# Allegro board buddy_lay_rev1.brd (continued)
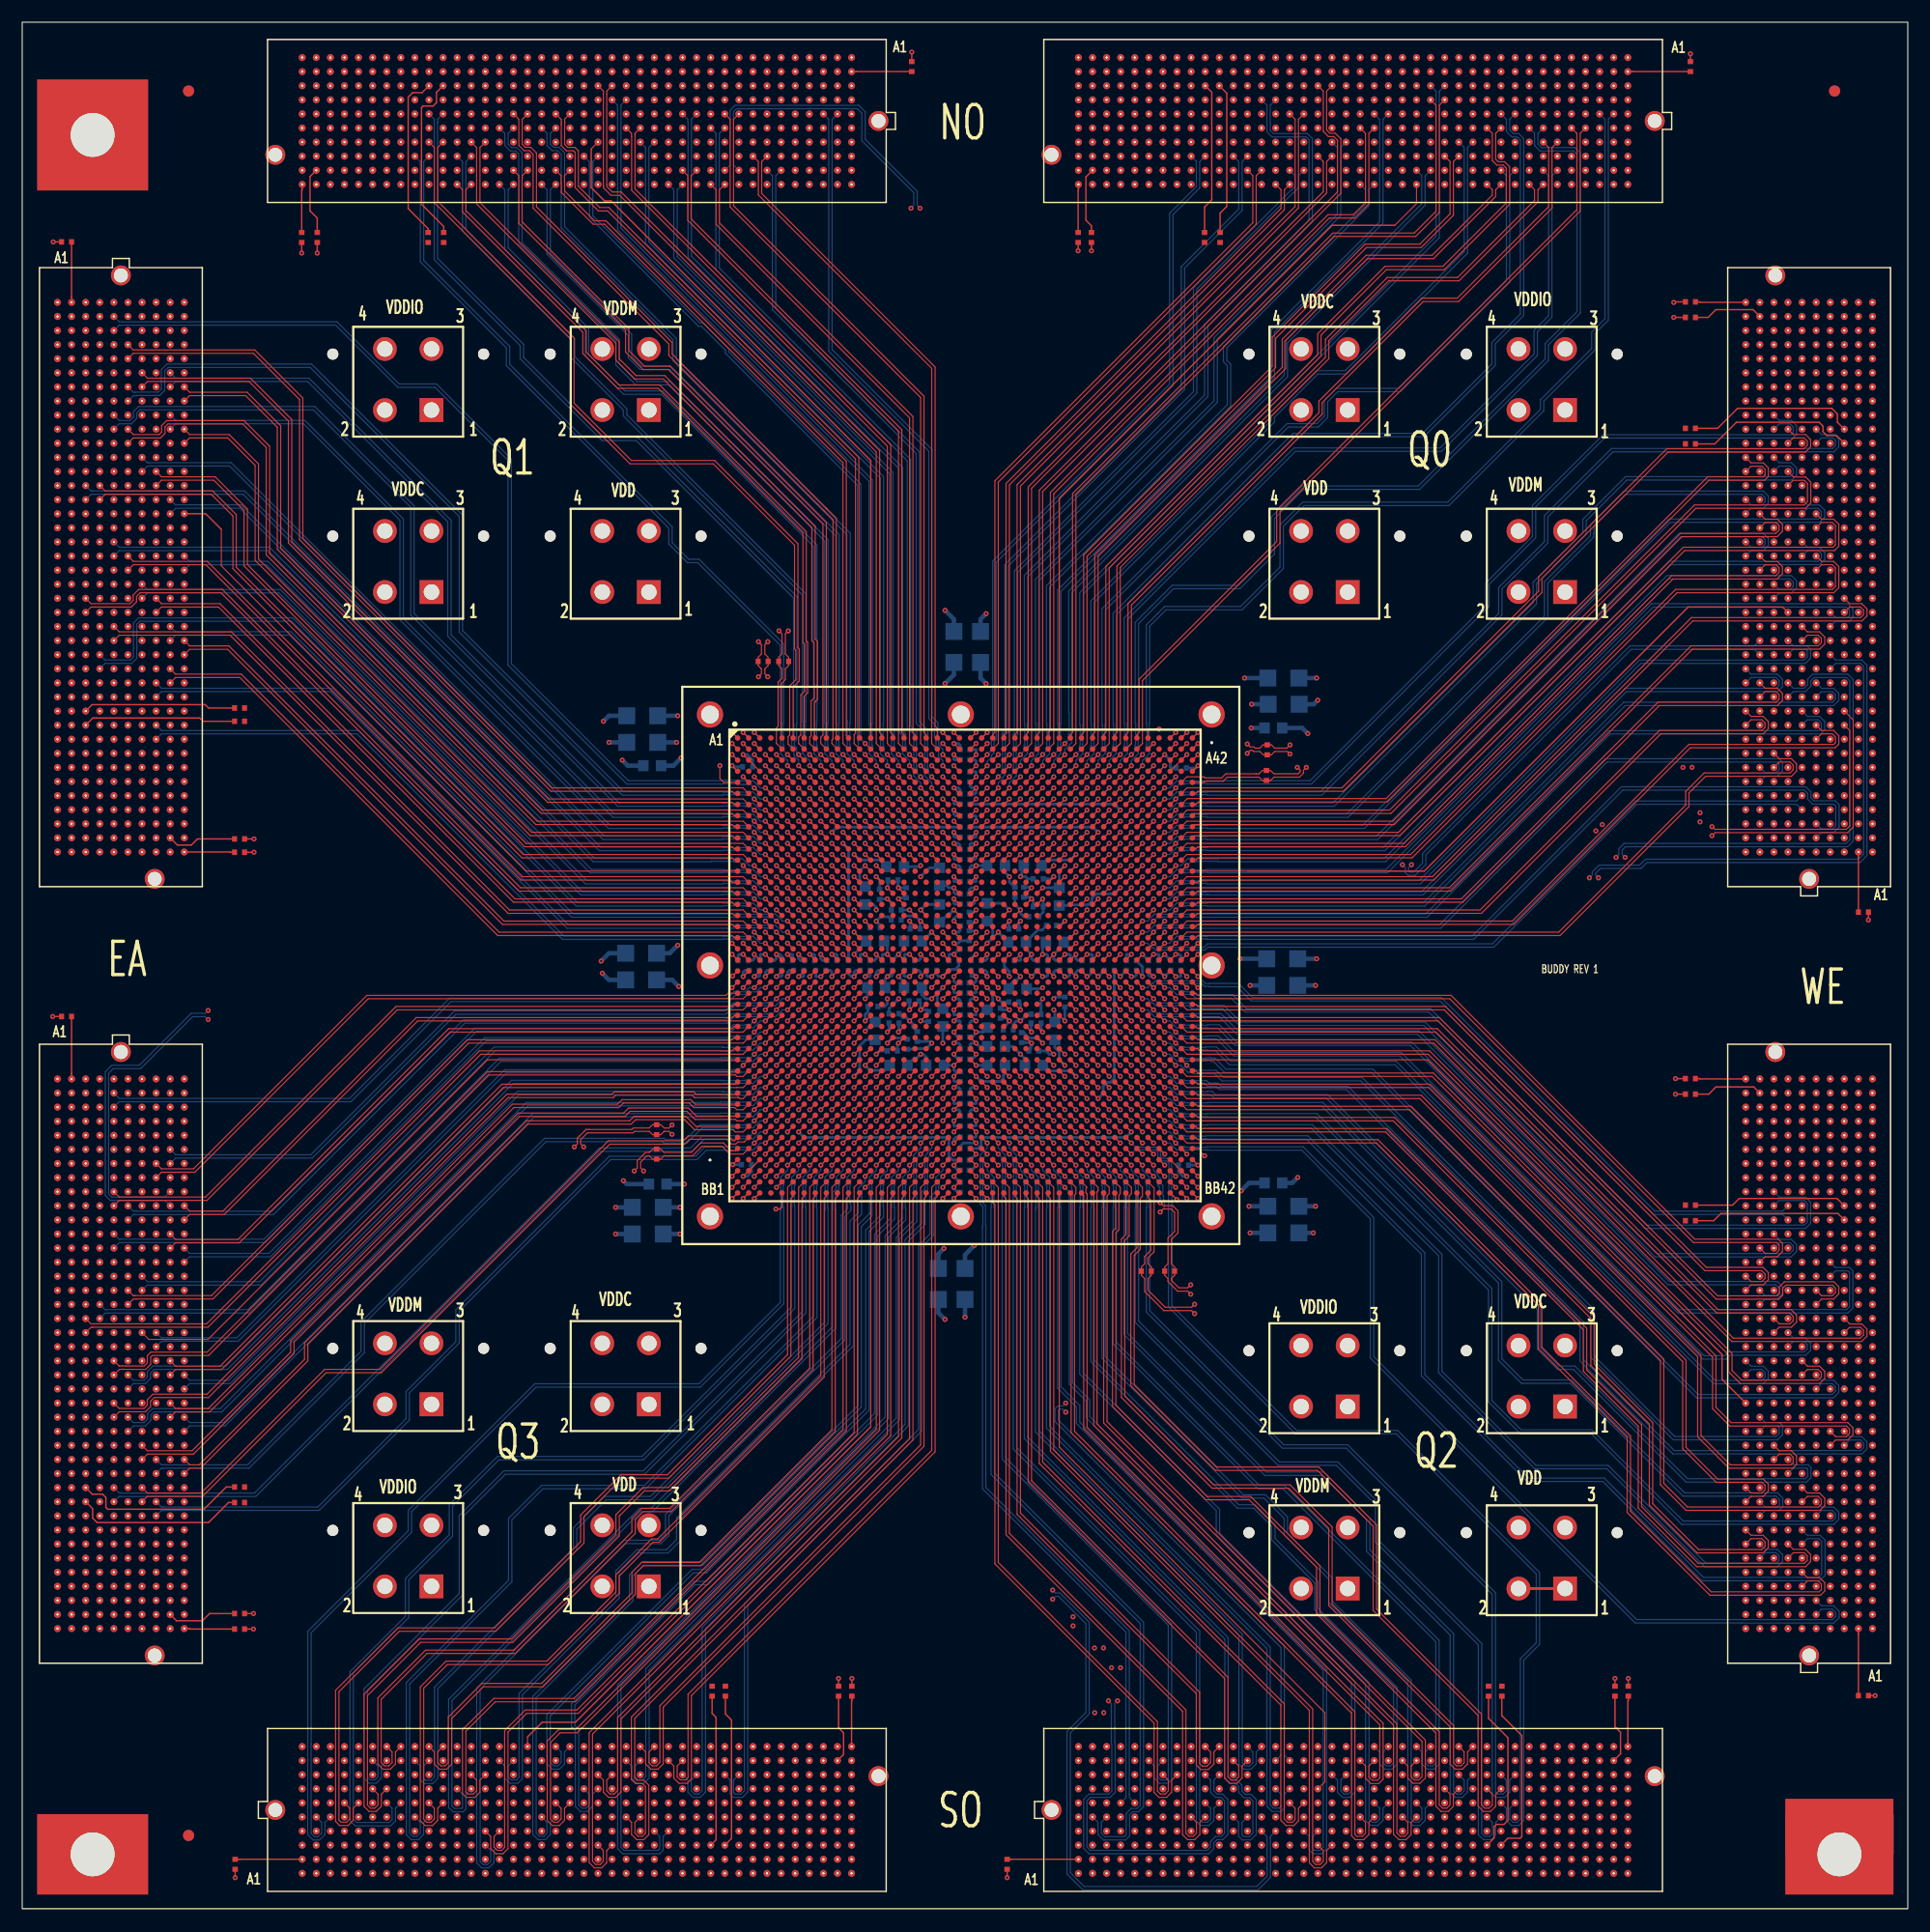
[diagram p0: board, top side]
## Routing (per net, layer and track width the routed paths; a pad name or vN(x,y) marks a point on that pad's centre or on a via; arc(x,y) is an arc through that point) (continued)
  BOTTOM w0.102: J1.J9 64.13,157.14 64.13,161.93 64.4,162.2 75.3,162.2 75.7,161.8 75.7,159.32 80.38,154.64 80.38,153.49 v1(80.13,153.24)
NO_P79: length 57.4
  TOP w0.102: U1.A17 80.5,105.8 80.3,106 80.3,134.47 62.86,151.91 62.86,154.9 J1.K10
NO_P80: length 66.8
  TOP w0.127: U1.C17 v1(80,104)
  BOTTOM w0.102: v1(80,104) 79.68,104.32 79.68,104.78 79.62,104.84 79.62,105.37 79.65,105.4 79.65,105.88 79.35,106.18 79.35,129.9 60.34,148.91 60.34,161.09 60.32,161.11 60.32,161.25 60.8,161.74
NO_P81: length 70.1
  TOP w0.127: U1.G17 v1(80,100)
  SIGNAL_L12 w0.081: J1.F13 59.06,160 59.06,149.27 79.67,128.67 79.67,105.34 79.63,105.3 79.63,100.85 79.63,100.84 79.63,100.8 79.67,100.77 79.67,100.33 v1(80,100)
NO_P82: length 74.2
  TOP w0.127: U1.J17 v1(80,98)
  SIGNAL_L3 w0.081: J1.G12 60.33,158.73 60.33,158.47 60.32,158.46 60.32,154.33 62.57,152.08 69.24,152.08 79.66,141.65 79.66,105.42 79.63,105.38 79.63,98.81 79.66,98.78 79.66,98.34 v1(80,98)
NO_P83: length 71.5
  TOP w0.127: U1.L17 v1(80,96)
  SIGNAL_L5 w0.081: J1.H13 59.06,157.46 59.06,152.24 79.67,131.63 79.67,105.48 79.63,105.44 79.63,96.85 79.66,96.81 79.66,96.49 79.7,96.46 79.7,96.3 v1(80,96)
NO_P84: length 59.3
  TOP w0.102: J1.J12 60.31,156.16 60.31,152.27 79.3,133.28 79.3,106 79.5,105.8 U1.A16
NO_P85: length 60.6
  TOP w0.127: U1.C16 v1(79,104)
  BOTTOM w0.102: v1(79,104) 78.68,104.32 78.68,104.55 78.62,104.61 78.62,106.21 78.5,106.33 78.5,129.44 59.05,148.89 59.05,154.9 J1.K13
NO_P86: length 74
  TOP w0.127: U1.G16 v1(79,100)
  SIGNAL_L12 w0.081: v1(79,100) 78.67,100.33 78.67,100.77 78.63,100.8 78.63,100.84 78.63,100.85 78.63,105.3 78.67,105.34 78.67,128.33 57.81,149.19 57.81,163.82 J1.C14
NO_P87: length 79.8
  TOP w0.127: U1.J16 v1(79,98)
  SIGNAL_L3 w0.081: J1.D14 57.79,162.54 57.79,162.42 57.8,162.41 57.8,153.2 59.77,151.23 68.34,151.23 78.7,140.87 78.7,105.28 78.63,105.21 78.63,98.81 78.66,98.78 78.66,98.34 v1(79,98)
NO_P88: length 76
  TOP w0.127: U1.L16 v1(79,96)
  SIGNAL_L10 w0.081: v1(79,96) 78.7,96.3 78.7,96.52 78.63,96.59 78.63,105.34 78.66,105.38 78.66,130.04 56.52,152.18 56.52,161.27 56.99,161.74
NO_P89: length 64.8
  TOP w0.102: J1.F16 55.24,159.98 55.24,159.84 55.25,159.83 55.25,154.98 78.3,131.93 78.3,106 78.5,105.8 U1.A15
NO_P90: length 65
  TOP w0.127: U1.C15 v1(78,104)
  BOTTOM w0.102: v1(78,104) 77.68,104.32 77.68,104.78 77.62,104.84 77.62,106.8 77.65,106.83 77.65,129.05 56.5,150.2 56.5,158.7 J1.G15
NO_P91: length 66.3
  TOP w0.127: U1.E15 v1(78,102)
  SIGNAL_L12 w0.081: v1(78,102) 77.67,102.33 77.67,102.77 77.63,102.8 77.63,102.84 77.63,102.85 77.63,107.17 77.67,107.2 77.67,127.93 55.25,150.35 55.25,157.2 55.25,157.2 55.25,157.46 J1.H16
NO_P92: length 73.8
  TOP w0.127: U1.J15 v1(78,98)
  SIGNAL_L3 w0.081: v1(78,98) 77.66,98.34 77.66,98.78 77.63,98.81 77.63,105.46 77.66,105.5 77.66,140.3 67.59,150.38 58.49,150.38 56.52,152.34 56.52,156.19 J1.J15
NO_P93: length 69.7
  TOP w0.127: U1.L15 v1(78,96)
  SIGNAL_L5 w0.081: v1(78,96) 77.7,96.3 77.7,96.46 77.66,96.49 77.66,96.81 77.63,96.85 77.63,105.44 77.67,105.48 77.67,129.73 55.25,152.15 55.25,154.92 J1.K16
NO_P94: length 69.7
  TOP w0.102: U1.A14 77.5,105.8 77.3,106 77.3,131.4 54,154.7 53.21,154.7 52.72,155.19 52.72,155.37 52.7,155.38 52.7,163.52 52.7,163.52 52.7,163.79 J1.C18
NO_P95: length 69.5
  TOP w0.127: U1.C14 v1(77,104)
  BOTTOM w0.102: J1.D17 53.97,162.52 53.97,162.38 53.99,162.36 53.99,151.42 76.65,128.76 76.65,106.83 76.62,106.8 76.62,104.84 76.68,104.78 76.68,104.32 v1(77,104)
NO_P96: length 71.9
  TOP w0.127: U1.E14 v1(77,102)
  SIGNAL_L12 w0.081: 53.18,161.74 52.7,161.25 52.7,160.79 52.7,160.79 52.7,160.3 52.99,160.01 53.49,160.01 54,159.5 54,158.12 53.99,158.12 53.99,157.73 54,157.73 54,149.1 60.58,142.52 61.96,142.52 63.73,140.75 63.73,136.79 76.67,123.85 76.67,107.48 76.7,107.44 76.7,105.23 76.63,105.15 76.63,102.85 76.63,102.84 76.63,102.8 76.67,102.77 76.67,102.33 v1(77,102)
NO_P97: length 80.5
  TOP w0.127: U1.K14 v1(77,97)
  SIGNAL_L3 w0.081: J1.F19 51.44,160 51.44,157.75 51.75,157.44 52.24,157.44 52.7,156.98 52.7,154.61 57.73,149.59 66.68,149.59 76.66,139.6 76.66,105.79 76.61,105.73 76.61,105.62 76.64,105.58 76.64,105.55 76.63,105.53 76.63,97.81 76.66,97.78 76.66,97.34 v1(77,97)
NO_P98: length 75.3
  TOP w0.127: U1.M14 v1(77,95)
  SIGNAL_L10 w0.081: v1(77,95) 77,95.48 76.5,95.98 76.5,110.5
  SIGNAL_L10 w0.083: 76.5,110.5 76.5,129.85 52.55,153.8 52.55,158.56 J1.G18
NO_P99: length 64.2
  TOP w0.102: U1.B13 v1(76,105)
  BOTTOM w0.102: v1(76,105) 75.6,105.4 75.6,128.4 63.7,140.3 63.7,140.57 61.37,142.9 61.1,142.9 51.45,152.55 51.45,155.58 51.45,155.58 51.45,156.46 51.45,156.46 51.45,156.85 51.45,156.85 51.45,157.28 51.43,157.3 51.43,157.44 J1.H19
NO_P100: length 64.2
  TOP w0.127: U1.D13 v1(76,103)
  SIGNAL_L12 w0.081: v1(76,103) 75.67,103.33 75.67,103.69 75.63,103.73 75.63,105.59 75.66,105.63 75.66,123.09 59.2,139.55 59.2,141.45 52.7,147.95 52.7,156.17 J1.J18
NO_P101: length 71.1
  TOP w0.127: U1.F13 v1(76,101)
  SIGNAL_L3 w0.081: v1(76,101) 75.66,101.34 75.66,101.78 75.63,101.81 75.63,108.39 75.66,108.43 75.66,139.14 66.05,148.75 56.45,148.75 51.44,153.76 51.44,154.92 J1.K19
NO_P102: length 79.2
  TOP w0.127: U1.H13 v1(76,99)
  SIGNAL_L10 w0.081: J1.C22 47.63,163.81 47.63,157.08 47.65,157.07 47.65,155.01 48.2,154.45 50.27,154.45 75.66,129.05 75.66,105.43 75.63,105.39 75.63,99.37 v1(76,99)
NO_P103: length 78.6
  TOP w0.127: U1.L13 v1(76,96)
  SIGNAL_L5 w0.081: J1.D20 50.17,162.54 50.17,154.54 75.67,129.05 75.67,105.48 75.63,105.44 75.63,96.85 75.66,96.81 75.66,96.49 75.7,96.46 75.7,96.3 v1(76,96)
NO_P104: length 68.3
  TOP w0.102: U1.A12 75.43,105.57 75.43,130.77 52.9,153.3 52.07,153.3 50.15,155.22 50.15,158.41 49.84,158.72 49.19,158.72 48.91,159 48.91,160.66 48.91,160.67 48.91,161.01 48.9,161.25 48.9,161.26 49.37,161.74
NO_P105: length 69
  TOP w0.127: U1.C12 v1(75,104)
  BOTTOM w0.102: J1.F22 47.62,159.98 47.62,159.02 47.91,158.73 48.4,158.73 48.9,158.22 48.9,151.58 58.98,141.5 58.98,139.62 74.65,123.95 74.65,106.87 74.62,106.83 74.62,104.84 74.68,104.78 74.68,104.32 v1(75,104)
NO_P106: length 68.9
  TOP w0.127: U1.E12 v1(75,102)
  SIGNAL_L12 w0.081: v1(75,102) 74.67,102.33 74.67,102.77 74.63,102.8 74.63,102.84 74.63,102.85 74.63,107.2 74.67,107.24 74.67,122.85 58.33,139.19 58.33,141.11 48.9,150.54 48.9,158.47 48.9,158.47 48.9,158.73 J1.G21
NO_P107: length 76.6
  TOP w0.127: U1.G12 v1(75,100)
  SIGNAL_L3 w0.081: v1(75,100) 74.66,100.34 74.66,100.78 74.63,100.81 74.63,107.35 74.66,107.38 74.66,138.29 64.99,147.96 56.12,147.96 56.03,148.05 54.02,148.05 47.63,154.44 47.63,157.45 J1.H22
NO_P108: length 62.6
  TOP w0.102: U1.A11 74.3,105.7 74.3,130.43 52.63,152.1 51.6,152.1 48.91,154.79 48.91,155.59 48.89,155.61 48.89,156.17 J1.J21
NO_P109: length 64.8
  TOP w0.127: U1.C11 v1(74,104)
  BOTTOM w0.102: v1(74,104) 73.68,104.32 73.68,104.78 73.62,104.84 73.62,106.8 73.65,106.83 73.65,123.83 58.47,139.01 55.82,139.01 54.95,139.88 54.95,141.88 47.62,149.21 47.62,154.9 J1.K22
NO_P110: length 79.4
  TOP w0.127: U1.E11 v1(74,102)
  SIGNAL_L12 w0.081: J1.C26 42.55,163.81 42.55,160.26 42.83,159.98 45.89,159.98 46.35,159.52 46.35,149.95 53.91,142.39 53.91,139.91 55.25,138.57 57.56,138.57 73.67,122.46 73.67,110.34 73.59,110.27 73.59,107.45 73.63,107.41 73.63,102.85 73.63,102.84 73.63,102.8 73.67,102.77 73.67,102.33 v1(74,102)
NO_P111: length 84.9
  TOP w0.127: U1.G11 v1(74,100)
  SIGNAL_L3 w0.081: v1(74,100) 73.66,100.34 73.66,100.78 73.63,100.81 73.63,107.38 73.66,107.42 73.66,136.85 63.42,147.1 51.62,147.1 45.08,153.63 45.08,159.52 44.62,159.98 42.86,159.98 42.55,160.29 42.55,162.54 J1.D26
NO_P112: length 68.5
  TOP w0.102: 45.56,161.74 45.08,161.25 45.08,159.02 45.37,158.73 45.86,158.73 46.37,158.22 46.37,153.37 58.6,141.13 58.6,140.1 72.56,126.14 73.4,125.3 73.4,105.6 U1.A10
NO_P113: length 71.5
  TOP w0.127: U1.C10 v1(73,104)
  BOTTOM w0.102: v1(73,104) 72.68,104.32 72.68,104.78 72.62,104.84 72.62,106.83 72.65,106.87 72.65,123.37 58.4,137.62 55.44,137.62 53.83,139.23 53.83,141.41 45.07,150.17 45.07,158.25 44.61,158.7 44.13,158.7 43.81,159.02 43.81,159.98 J1.F25
NO_P114: length 72.9
  TOP w0.127: U1.E10 v1(73,102)
  SIGNAL_L12 w0.081: v1(73,102) 72.67,102.33 72.67,102.77 72.63,102.8 72.63,102.84 72.63,102.85 72.63,107.34 72.67,107.38 72.67,121.99 57.19,137.47 51.71,137.47 49.78,139.4 49.78,143.97 45.09,148.66 45.09,158.73 J1.G24
NO_P115: length 79.6
  TOP w0.127: U1.G10 v1(73,100)
  SIGNAL_L3 w0.081: v1(73,100) 72.66,100.34 72.66,100.78 72.63,100.81 72.63,107.35 72.66,107.38 72.66,135.64 62.05,146.25 47.22,146.25 43.82,149.64 43.82,157.46 J1.H25
NO_P116: length 64.1
  TOP w0.102: U1.A9 72.5,124.9 58.4,139 56.1,139 54.7,140.4 54.7,142.38 45.07,152.01 45.07,155.96 45.08,155.97 45.08,156.17 J1.J24
NO_P117: length 66
  TOP w0.127: U1.C9 v1(72,104)
  BOTTOM w0.102: v1(72,104) 71.68,104.32 71.68,104.78 71.62,104.84 71.62,106.93 71.65,106.96 71.65,122.89 57.77,136.77 54.34,136.77 51.07,140.04 51.07,142.41 43.81,149.67 43.81,154.9 J1.K25
NO_P118: length 82.3
  TOP w0.127: U1.E9 v1(72,102)
  SIGNAL_L3 w0.081: 41.75,161.74 41.28,161.27 41.28,161.15 41.3,161.14 41.3,157.74 41.56,157.47 42.3,157.47 42.57,157.2 42.57,149.15 46.62,145.1 61.07,145.1 71.66,134.5 71.66,109.5 71.63,109.47 71.63,102.81 71.66,102.78 71.66,102.34 v1(72,102)
NO_P119: length 79.6
  TOP w0.127: U1.G9 v1(72,100)
  SIGNAL_L12 w0.081: v1(72,100) 71.67,100.33 71.67,100.77 71.63,100.8 71.63,100.84 71.63,100.85 71.63,105.35 71.67,105.39 71.67,120.64 60.75,131.56 52.34,131.56 45,138.9 45,142.73 40.01,147.72 40.01,160 J1.F28
NO_P120: length 68.2
  TOP w0.102: J1.G27 41.27,158.71 41.27,153.74 53.83,141.18 53.83,139.67 55.35,138.15 57.93,138.15 71.5,124.58 71.5,114.39 71.7,114.19 71.7,108.97 71.43,108.7 71.43,105.57 U1.A8
NO_P121: length 67.7
  TOP w0.127: U1.C8 v1(71,104)
  BOTTOM w0.102: J1.H28 40,157.44 40,157.17 40,157.17 40,151.28 49.82,141.46 49.82,139.86 54.5,135.18 54.5,134.65 70.65,118.5 70.65,107.02 70.62,106.98 70.62,104.38 v1(71,104)
NO_P122: length 76.3
  TOP w0.127: U1.E8 v1(71,102)
  SIGNAL_L3 w0.081: J1.J27 41.28,156.19 41.28,148.83 45.97,144.15 60.35,144.15 70.66,133.83 70.66,109.38 70.63,109.35 70.63,102.81 70.66,102.78 70.66,102.34 v1(71,102)
NO_P123: length 65.1
  TOP w0.102: J1.K28 40,154.9 40,153.03 50.85,142.18 50.85,140.27 53.81,137.3 57.48,137.3 70.69,124.09 70.69,114.24 70.82,114.11 70.82,109.57 70.5,109.25 U1.A7
NO_P124: length 74.2
  TOP w0.127: U1.C7 v1(70,104)
  BOTTOM w0.102: 37.94,161.74 37.46,161.25 37.46,160.98 37.45,160.97 37.45,148.73 45.2,140.98 45.2,139.8 52.4,132.6 55.48,132.6 69.85,118.23 69.85,106.82 69.82,106.79 69.82,105.35 69.62,105.16 69.62,104.84 69.82,104.65 69.82,104.18 69.92,104.08 69.92,103.97 69.97,103.97 v1(70,104)
NO_P125: length 80.8
  TOP w0.127: U1.E7 v1(70,102)
  SIGNAL_L3 w0.081: J1.F31 36.2,160 36.2,159.74 36.19,159.73 36.19,148.66 46.72,138.13 59.15,138.13 69.77,127.51 69.77,115.13 69.77,114.86 69.66,114.75 69.66,109.46 69.63,109.42 69.63,102.81 69.66,102.78 69.66,102.34 v1(70,102)
NO_P126: length 72
  TOP w0.102: J1.G30 37.46,158.71 37.46,153.87 49.75,141.58 49.75,135.68 54.93,130.5 62.43,130.5 69.93,123 69.93,113.65 70.05,113.53 70.05,110.62 69.5,110.07 U1.A6
NO_P127: length 69
  TOP w0.127: U1.C6 v1(69,104)
  BOTTOM w0.102: v1(69,104) 68.68,104.32 68.68,104.78 68.62,104.84 68.62,106.8 68.65,106.83 68.65,113.98 61.03,121.6 60.1,121.6 58.6,123.1 58.6,124.53 43.95,139.18 43.95,140.78 36.2,148.53 36.2,157.29 36.19,157.3 36.19,157.44 J1.H31
NO_VADJ0: length 9.6
  TOP w0.127: R111.2 v1(25.2,149.2) ; R110.2 v1(26.6,149.2)
  PWR_L7 w0.254: 26.51,161.74 26.99,161.74 ; 26.51,161.74 26.51,161.26 ; 26.51,161.74 26.04,161.74 ; 26.51,161.74 26.51,162.21 ; 25.24,157.45 J1.H40 ; J1.H40 25.24,158.4 ; J1.H40 25.72,157.93 ; J1.H40 24.77,157.93 ; J1.G39 26.51,159.67 ; J1.G39 26.99,159.19 ; J1.G39 26.51,158.72 ; J1.G39 26.04,159.19 ; J1.F40 25.24,160.94 ; J1.F40 25.24,159.99 ; J1.F40 25.72,160.47 ; J1.F40 24.77,160.47
NO_VADJ1: length 9.2
  TOP w0.127: R115.2 v1(96.4,149.4) ; R116.2 v1(95.2,149.4)
  PWR_L7 w0.254: J2.F40 95.7,160.47 ; J2.F40 94.75,160.47 ; J2.F40 95.23,160.94 ; J2.F40 95.23,159.99 ; 95.23,157.45 J2.H40 ; J2.H40 95.7,157.93 ; J2.H40 95.23,158.4 ; J2.H40 94.75,157.93 ; J2.G39 96.97,159.19 ; J2.G39 96.5,159.67 ; J2.G39 96.5,158.72 ; J2.G39 96.02,159.19 ; 96.5,161.26 96.5,161.74 ; 96.5,161.74 96.5,162.21 ; 96.5,161.74 96.97,161.74 ; 96.5,161.74 96.02,161.74
Q0_VDD: length 16
  TOP w0.127: U1.D42 v1(106,103) ; U1.V30 v1(94,89)
  PWR_L7 w0.254: 118.26,124.15 J15.3 ; J15.3 119.5,125.39 ; J15.3 120.74,124.15 ; J15.3 119.5,122.91 ; 115.3,122.91 J15.4 ; J15.4 115.3,125.39 ; J15.4 116.54,124.15 ; J15.4 114.06,124.15
  BOTTOM w0.25: v1(94,89) 93.6,88.6 C134.1 ; v1(106,103) 105.8,102.8 C133.1
  BOTTOM w0.4: C135.1 v1(110.8,106.4) ; C136.1 v1(110.84,108.54)
Q0_VDDC: length 36.2
  TOP w0.127: U1.E22 v1(86,102) ; U1.M33 v1(97,95) ; U1.T37 v1(101,91) ; U1.K31 v1(95,97) ; U1.P35 v1(99,93) ; U1.AA22 v1(86,86) ; U1.W24 v1(88,88) ; U1.V39 v1(103,89) ; U1.U22 v1(86,90) ; U1.H29 v1(93,99) ; U1.AA26 v1(90,86) ; U1.A22 v1(86,106) ; U1.AA42 v1(106,86) ; U1.J22 v1(86,98) ; U1.AA30 v1(94,86) ; U1.D25 v1(89,103) ; U1.AA34 v1(98,86) ; U1.F27 v1(91,101) ; U1.AA38 v1(102,86) ; U1.N22 v1(86,94)
  PWR_L8 w0.254: J13.4 116.54,140.55 ; J13.4 115.3,141.79 ; J13.4 114.06,140.55 ; J13.4 115.3,139.31 ; 118.26,140.55 J13.3 ; J13.3 119.5,141.79 ; J13.3 119.5,139.31 ; J13.3 120.74,140.55
  BOTTOM w0.25: C4.1 85.55,85.65 85.9,86 v1(86,86) ; v1(90,86) 90,85.5 89.95,85.45 C1.1 ; C8.1 85.95,102.45 86,102.4 v1(86,102) ; C5.1 85.79,89.79 v1(86,90) ; v1(86,98) 86,98.4 85.93,98.47 C2.1 ; C10.1 v1(86,94) 85.61,94 85.45,93.84 C7.1 ; C6.1 94.5,85.5 94.5,85.9 94.4,86 v1(94,86) ; v1(102,86) 102.4,86 102.5,85.9 102.5,85.5 C3.1 ; v1(88,88) 88.29,87.71 88.32,87.71 88.9,87.13 C9.1
  BOTTOM w0.4: 112.2,85.6 v1(109.8,85.6)
Q0_VDDIO: length 63.3
  TOP w0.127: U1.J34 v1(98,98) ; U1.M31 v1(95,95) ; U1.G36 v1(100,100) ; U1.B41 v1(105,105) ; U1.D39 v1(103,103) ; U1.R28 v1(92,92) ; U1.N30 v1(94,94) ; U1.U26 v1(90,90) ; U1.K33 v1(97,97) ; U1.T27 v1(91,91) ; U1.H35 v1(99,99) ; U1.A42 v1(106,106) ; U1.F37 v1(101,101) ; U1.E38 v1(102,102) ; U1.P29 v1(93,93) ; U1.C40 v1(104,104) ; U1.L32 v1(96,96) ; U1.V25 v1(89,89)
  SIGNAL_L10 w0.254: 134.9,139.31 J14.4 ; J14.4 134.9,141.79 ; J14.4 133.66,140.55 ; J14.4 136.14,140.55 ; J14.3 140.34,140.55 ; J14.3 137.86,140.55 ; J14.3 139.1,141.79 ; J14.3 139.1,139.31
  BOTTOM w0.25: v1(97,97) 96.54,97.46 C89.1 ; v1(92,92) 92.85,92 C97.1 U1.N30 v1(94,94) ; C92.1 92.8,92.8 v1(93,93) ; C90.1 90.85,91.15 v1(91,91) 91.15,90.85 C91.1 ; v1(99,99) 98.46,99.54 85.93,99.54 85.93,99.55 C94.1 ; C98.1 91.9,94.03 92.37,94.5 U1.M31 v1(95,95) ; C95.1 89.5,90.5 v1(90,90) 90,89.7 90.3,89.4 C93.1 ; C96.1 88.95,88.95 v1(89,89)
  BOTTOM w0.4: C99.1 v1(110.2,110.9)
Q0_VDDM: length 36.6
  TOP w0.127: U1.AA36 v1(100,86) ; U1.R22 v1(86,92) ; U1.R36 v1(100,92) ; U1.G22 v1(86,100) ; U1.E26 v1(90,102) ; U1.W22 v1(86,88) ; U1.AA32 v1(96,86) ; U1.J30 v1(94,98) ; U1.U38 v1(102,90) ; U1.C24 v1(88,104) ; U1.Y23 v1(87,87) ; U1.AA28 v1(92,86) ; U1.C22 v1(86,104) ; U1.L22 v1(86,96) ; U1.G28 v1(92,100) ; U1.AA24 v1(88,86) ; U1.W40 v1(104,88) ; U1.AA40 v1(104,86) ; U1.N34 v1(98,94)
  PWR_L7 w0.254: 134.9,122.91 J16.4 ; J16.4 136.14,124.15 ; J16.4 134.9,125.39 ; J16.4 133.66,124.15 ; J16.3 140.34,124.15 ; J16.3 137.86,124.15 ; J16.3 139.1,125.39 ; J16.3 139.1,122.91
  BOTTOM w0.25: v1(86,92) 85.57,92 85.4,91.83 C47.1 ; C45.1 85.95,104.45 86,104.4 v1(86,104) ; C53.1 92,86.8 v1(92,86) 92.35,86 92.45,85.9 C49.1 ; v1(104,86) 104.3,86 104.45,85.85 C52.1 ; v1(96,86) 96.4,86 96.5,85.9 96.5,85.5 C51.1 ; C50.1 99.55,85.95 99.6,86 v1(100,86) ; v1(87,87) 87.5,87.5 87.5,88.53 87.03,89 C54.1 ; v1(86,96) 85.55,96 85.45,95.9 C46.1 ; v1(86,88) 85.87,88.13 C48.1
  BOTTOM w0.4: v1(86.9,110.4) 86.4,110.9 C55.1
Q1_VDD: length 16.9
  TOP w0.127: U1.D1 v1(64,103) ; U1.V13 v1(76,89)
  PWR_L7 w0.254: 52.3,122.91 J12.4 ; J12.4 51.06,124.15 ; J12.4 53.54,124.15 ; J12.4 52.3,125.39 ; J12.3 56.5,125.39 ; J12.3 56.5,122.91 ; J12.3 55.26,124.15 ; J12.3 57.74,124.15
  BOTTOM w0.102: C138.1 76.2,88.65 76.2,88.8 v1(76,89)
  BOTTOM w0.25: v1(64,103) 64.1,102.9 C137.1
  BOTTOM w0.4: C139.1 58.7,103 v1(59.4,103.7) ; C140.1 v1(59,105.1)
Q1_VDDC: length 36.8
  TOP w0.127: U1.AA13 v1(76,86) ; U1.AA1 v1(64,86) ; U1.A21 v1(84,106) ; U1.T6 v1(69,91) ; U1.K12 v1(75,97) ; U1.AA5 v1(68,86) ; U1.U21 v1(84,90) ; U1.AA21 v1(84,86) ; U1.M10 v1(73,95) ; U1.F16 v1(79,101) ; U1.D18 v1(81,103) ; U1.N21 v1(84,94) ; U1.E21 v1(84,102) ; U1.V4 v1(67,89) ; U1.W19 v1(82,88) ; U1.J21 v1(84,98) ; U1.P8 v1(71,93) ; U1.AA17 v1(80,86) ; U1.H14 v1(77,99) ; U1.AA9 v1(72,86)
  PWR_L8 w0.254: J11.4 33.94,124.15 ; J11.4 32.7,125.39 ; J11.4 31.46,124.15 ; J11.4 32.7,122.91 ; J11.3 36.9,125.39 ; J11.3 35.66,124.15 ; J11.3 36.9,122.91 ; J11.3 38.14,124.15
  BOTTOM w0.25: C15.1 83.55,85.93 83.62,86 84,86 v1(84,86) 84.47,86.47 C13.1 ; C21.1 82.78,88.9 83.55,89.68 83.68,89.68 v1(84,90) ; C16.1 84.57,93.84 84.41,94 v1(84,94) ; C18.1 72.17,85.45 72,85.62 v1(72,86) ; C20.1 81.2,87.2 v1(82,88) ; C19.1 79.55,85.95 79.6,86 v1(80,86) ; C17.1 67.83,85.45 68,85.62 v1(68,86) 68.3,86 68.55,85.75 C14.1 ; C12.1 75.55,85.95 75.6,86 v1(76,86)
  BOTTOM w0.4: v1(59.1,86.82) 58.38,86.1 C22.1
Q1_VDDIO: length 58.9
  TOP w0.127: U1.N13 v1(76,94) ; U1.T16 v1(79,91) ; U1.M12 v1(75,95) ; U1.G7 v1(70,100) ; U1.U17 v1(80,90) ; U1.V18 v1(81,89) ; U1.H8 v1(71,99) ; U1.A1 v1(64,106) ; U1.P14 v1(77,93) ; U1.C3 v1(66,104) ; U1.E5 v1(68,102) ; U1.D4 v1(67,103) ; U1.L11 v1(74,96) ; U1.F6 v1(69,101) ; U1.K10 v1(73,97) ; U1.R15 v1(78,92) ; U1.B2 v1(65,105) ; U1.J9 v1(72,98)
  SIGNAL_L10 w0.254: J9.3 36.9,141.79 ; J9.3 35.66,140.55 ; J9.3 36.9,139.31 ; J9.3 38.14,140.55 ; J9.4 33.94,140.55 ; J9.4 31.46,140.55 ; J9.4 32.7,141.79 ; J9.4 32.7,139.31
  BOTTOM w0.25: C108.1 77.9,93.93 77.32,94.51 76.05,94.51 76.04,94.5 U1.M12 v1(75,95) ; v1(74,96) U1.L11 C100.1 ; v1(73,97) 73.46,97.46 C104.1 ; v1(77,93) 77.3,92.7 C103.1 ; C107.1 79.1,91.1 v1(79,91) ; C105.1 79.25,89.12 79.59,89.46 80.54,89.46 v1(81,89) 80.95,88.95 C102.1 ; C106.1 78.05,92.05 v1(78,92) ; v1(80,90) C101.1 ; C109.1 75.97,92.1 75.5,92.57 75.5,93.5 v1(76,94)
  BOTTOM w0.4: C110.1 v1(59.1,107.5)
Q1_VDDM: length 36.3
  TOP w0.127: U1.W3 v1(66,88) ; U1.W21 v1(84,88) ; U1.AA7 v1(70,86) ; U1.AA19 v1(82,86) ; U1.R7 v1(70,92) ; U1.U5 v1(68,90) ; U1.C21 v1(84,104) ; U1.G15 v1(78,100) ; U1.J13 v1(76,98) ; U1.G21 v1(84,100) ; U1.E17 v1(80,102) ; U1.AA3 v1(66,86) ; U1.AA11 v1(74,86) ; U1.AA15 v1(78,86) ; U1.Y20 v1(83,87) ; U1.C19 v1(82,104) ; U1.R21 v1(84,92) ; U1.N9 v1(72,94) ; U1.L21 v1(84,96)
  PWR_L7 w0.254: J10.4 52.3,141.79 ; J10.4 53.54,140.55 ; J10.4 52.3,139.31 ; J10.4 51.06,140.55 ; 55.26,140.55 J10.3 ; J10.3 56.5,141.79 ; J10.3 56.5,139.31 ; J10.3 57.74,140.55
  BOTTOM w0.25: C59.1 77.55,85.95 77.6,86 v1(78,86) 78,86.9 C64.1 ; C63.1 84.57,88.17 84.4,88 v1(84,88) ; v1(84,104) 84,103.6 84.05,103.55 C56.1 ; v1(66,86) 66,85.62 65.83,85.45 C62.1 ; C65.1 83.35,92.2 83.55,92 v1(84,92) 84,91.59 84.16,91.43 C61.1 ; C60.1 84.55,95.83 84.38,96 v1(84,96) ; C57.1 70.17,85.45 70,85.62 v1(70,86) ; v1(84,100) 84,99.6 84.05,99.55 C58.1
  BOTTOM w0.4: v1(83.2,110.4) 84,111.2 C66.1
Q2_VDD: length 66
  TOP w0.127: U1.AF26 v1(90,80) ; U1.AY40 v1(104,66) ; U1.AE25 v1(89,81) ; U1.AL31 v1(95,75) ; U1.AG27 v1(91,79) ; U1.AT36 v1(100,70) ; U1.AW39 v1(103,67) ; U1.AK30 v1(94,76) ; U1.AR35 v1(99,71) ; U1.AM32 v1(96,74) ; U1.AJ29 v1(93,77) ; U1.AH28 v1(92,78) ; U1.AP34 v1(98,72) ; U1.AN33 v1(97,73) ; U1.AV38 v1(102,68) ; U1.AU37 v1(101,69) ; U1.BB42 v1(106,64) ; U1.BA41 v1(105,65)
  SIGNAL_L10 w0.254: J24.3 139.1,35.59 ; J24.3 140.34,34.35 ; J24.3 137.86,34.35 ; J24.3 139.1,33.11 ; J24.4 134.9,35.59 ; J24.4 133.66,34.35 ; J24.4 136.14,34.35 ; J24.4 134.9,33.11
  BOTTOM w0.25: C120.1 92,75.97 92.47,75.5 U1.AL31 v1(95,75) ; C111.1 90.95,79.05 v1(91,79) ; C112.1 90.3,78.95 90.79,78.46 91.54,78.46 v1(92,78) ; v1(89,81) 88.35,81 C118.1 ; v1(94,76) U1.AK30 93.5,77.2 93.1,77.6 C119.1 ; v1(100,70) 99.5,69.5 86.77,69.5 86.46,69.19 86.46,68.81 86.14,68.5 C115.1 ; C116.1 98.45,84.07 98.46,84.07 98.46,74.81 98.1,74.46 97.81,74.46 97.46,74.1 97.46,73.46 v1(97,73) ; C117.1 90.6,80.6 v1(90,80) 89.64,80 89.35,79.71 C114.1 ; C113.1 92.3,77.3 92.6,77 v1(93,77)
  BOTTOM w0.4: C121.1 v1(110.7,60.9)
Q2_VDDC: length 36
  TOP w0.127: U1.AP22 v1(86,72) ; U1.AF22 v1(86,80) ; U1.AD24 v1(88,82) ; U1.AG37 v1(101,79) ; U1.AB26 v1(90,84) ; U1.AV22 v1(86,68) ; U1.AB30 v1(94,84) ; U1.AB22 v1(86,84) ; U1.AL33 v1(97,75) ; U1.AN31 v1(95,73) ; U1.AR29 v1(93,71) ; U1.BB22 v1(86,64) ; U1.AB38 v1(102,84) ; U1.AW25 v1(89,67) ; U1.AU27 v1(91,69) ; U1.AB42 v1(106,84) ; U1.AE39 v1(103,81) ; U1.AK22 v1(86,76) ; U1.AB34 v1(98,84) ; U1.AJ35 v1(99,77)
  PWR_L7 w0.254: J22.4 136.14,50.75 ; J22.4 134.9,49.51 ; J22.4 134.9,51.99 ; J22.4 133.66,50.75 ; 139.1,49.51 J22.3 ; J22.3 139.1,51.99 ; J22.3 140.34,50.75 ; J22.3 137.86,50.75
  BOTTOM w0.25: v1(102,84) 101.7,84 101.55,84.15 C24.1 ; C26.1 85.45,71.85 85.6,72 v1(86,72) ; C31.1 v1(86,76) ; C32.1 88.95,83.15 89.48,83.68 89.68,83.68 v1(90,84) ; C28.1 85.83,83.43 86,83.6 v1(86,84) 85.6,84 85.55,84.05 C27.1 ; C25.1 85.45,67.45 v1(86,68) ; v1(86,80) 85.6,80 85.45,79.85 C30.1 ; v1(88,82) 88.3,81.7 C23.1 ; v1(94,84) 94.3,84 94.45,84.15 C29.1
  BOTTOM w0.4: 112.2,83.2 v1(110.7,83.2)
Q2_VDDIO: length 17.5
  TOP w0.127: U1.AF30 v1(94,80) ; U1.AW42 v1(106,67)
  PWR_L7 w0.254: 119.5,49.51 J21.3 ; J21.3 119.5,51.99 ; J21.3 120.74,50.75 ; J21.3 118.26,50.75 ; 115.3,49.51 J21.4 ; J21.4 115.3,51.99 ; J21.4 116.54,50.75 ; J21.4 114.06,50.75
  BOTTOM w0.25: v1(94,80) C141.1 ; C142.1 v1(106,67)
  BOTTOM w0.4: C143.1 110.6,65.4 v1(109.9,64.7) ; C144.1 v1(110.6,63.3)
Q2_VDDM: length 36.9
  TOP w0.127: U1.AB24 v1(88,84) ; U1.AP30 v1(94,72) ; U1.AB40 v1(104,84) ; U1.AV26 v1(90,68) ; U1.AH22 v1(86,78) ; U1.AD40 v1(104,82) ; U1.AT28 v1(92,70) ; U1.AB32 v1(96,84) ; U1.AT22 v1(86,70) ; U1.AY22 v1(86,66) ; U1.AH36 v1(100,78) ; U1.AD22 v1(86,82) ; U1.AB36 v1(100,84) ; U1.AM22 v1(86,74) ; U1.AK34 v1(98,76) ; U1.AB28 v1(92,84) ; U1.AC23 v1(87,83) ; U1.AF38 v1(102,80) ; U1.AY24 v1(88,66)
  PWR_L8 w0.254: 114.06,34.35 J23.4 ; J23.4 116.54,34.35 ; J23.4 115.3,33.11 ; J23.4 115.3,35.59 ; 118.26,34.35 J23.3 ; J23.3 119.5,35.59 ; J23.3 119.5,33.11 ; J23.3 120.74,34.35
  BOTTOM w0.25: v1(96,84) 96.1,84 96.45,84.35 C73.1 ; v1(92,84) 92.35,84 92.45,84.1 C74.1 ; C67.1 85.92,69.52 86,69.6 v1(86,70) ; v1(100,84) 100.3,84 100.45,84.15 C72.1 ; C75.1 86.3,77.7 v1(86,78) 85.6,78 85.45,77.86 C69.1 ; C70.1 85.45,81.86 85.6,82 v1(86,82) ; C68.1 85.45,73.84 85.61,74 v1(86,74) ; C76.1 87.03,81 87.5,81.47 87.5,82.5 v1(87,83) ; v1(104,84) 104.4,84 104.45,84.05 C71.1
  BOTTOM w0.4: v1(85.84,59.76) 85.35,59.28 85.35,59.27 85,58.92 C77.1
Q3_VDD: length 16.5
  TOP w0.102: U1.AW1 v1(64.05,67.05)
  TOP w0.127: U1.AF13 v1(76,80)
  PWR_L7 w0.254: J20.4 53.54,34.55 ; J20.4 52.3,35.79 ; J20.4 52.3,33.31 ; J20.4 51.06,34.55 ; 55.26,34.55 J20.3 ; J20.3 57.74,34.55 ; J20.3 56.5,35.79 ; J20.3 56.5,33.31
  BOTTOM w0.25: C146.1 76.25,80.82 76,80.57 v1(76,80) ; v1(64.05,67.05) 64.05,67.05 C145.1
  BOTTOM w0.4: C147.1 v1(59.7,65.3) ; C148.1 v1(59.3,63.2)
Q3_VDDC: length 36.8
  TOP w0.127: U1.AJ8 v1(71,77) ; U1.AV21 v1(84,68) ; U1.AD19 v1(82,82) ; U1.AL10 v1(73,75) ; U1.AF21 v1(84,80) ; U1.AP21 v1(84,72) ; U1.AR14 v1(77,71) ; U1.AW18 v1(81,67) ; U1.AB17 v1(80,84) ; U1.BB21 v1(84,64) ; U1.AB1 v1(64.05,84.05) ; U1.AN12 v1(75,73) ; U1.AB13 v1(76,84) ; U1.AB5 v1(68,84) ; U1.AK21 v1(84,76) ; U1.AG6 v1(69,79) ; U1.AU16 v1(79,69) ; U1.AB9 v1(72,84) ; U1.AB21 v1(84,84) ; U1.AE4 v1(67,81)
  PWR_L8 w0.254: J18.4 53.54,50.95 ; J18.4 52.3,52.19 ; J18.4 52.3,49.71 ; J18.4 51.06,50.95 ; 55.26,50.95 J18.3 ; J18.3 56.5,52.19 ; J18.3 57.74,50.95 ; J18.3 56.5,49.71
  BOTTOM w0.25: v1(68,84) 68.4,84 68.5,84.1 U1.AB5 C37.1 ; C34.1 84.57,71.83 84.4,72 v1(84,72) ; C38.1 71.55,84.05 71.6,84 v1(72,84) ; C35.1 84.16,83.43 84,83.59 v1(84,84) ; C42.1 v1(84,76) 84,75.59 84.16,75.43 C39.1 ; C36.1 76.45,84.07 76.38,84 76,84 v1(76,84) ; v1(82,82) 81.45,82 81.1,82.35 C43.1 ; C41.1 84.57,79.93 84.49,80.01 84.39,80.01 84.38,80 v1(84,80) ; v1(80,84) 79.6,84 79.5,84.1 79.5,84.5 C40.1
  BOTTOM w0.4: v1(83.1,59.5) 82.6,59 C44.1
Q3_VDDIO: length 55.8
  TOP w0.127: U1.AH15 v1(78,78) ; U1.AY3 v1(66,66) ; U1.AT7 v1(70,70) ; U1.AF17 v1(80,80) ; U1.AE18 v1(81,81) ; U1.AW4 v1(67,67) ; U1.AG16 v1(79,79) ; U1.AJ14 v1(77,77) ; U1.BB1 v1(64,64) ; U1.BA2 v1(65,65) ; U1.AP9 v1(72,72) ; U1.AM11 v1(74,74) ; U1.AN10 v1(73,73) ; U1.AK13 v1(76,76) ; U1.AV5 v1(68,68) ; U1.AR8 v1(71,71) ; U1.AU6 v1(69,69) ; U1.AL12 v1(75,75)
  SIGNAL_L10 w0.254: 32.7,33.31 J19.4 ; J19.4 33.94,34.55 ; J19.4 31.46,34.55 ; J19.4 32.7,35.79 ; J19.3 38.14,34.55 ; J19.3 36.9,35.79 ; J19.3 35.66,34.55 ; J19.3 36.9,33.31
  BOTTOM w0.25: v1(70,70) 70.5,69.5 83.35,69.5 83.54,69.31 83.54,67.81 83.9,67.46 84.07,67.46 84.07,67.45 C128.1 ; v1(79,79) 79.05,79.05 C125.1 ; C124.1 79.05,80.63 79.39,80.29 79.71,80.29 v1(80,80) 80.29,79.71 80.29,79.44 80.68,79.05 C127.1 ; C129.1 77.3,77.3 v1(77,77) ; C131.1 76.05,78.3 75.5,77.75 U1.AL12 v1(75,75) ; v1(76,76) 76.46,75.54 77.74,75.54 C130.1 ; C126.1 81,81.65 v1(81,81) 81.55,81 C123.1 ; v1(78,78) 78.46,78.46 79.19,78.46 79.29,78.35 C122.1
  BOTTOM w0.4: C132.1 v1(59.3,60.8)
